# Altium PCB Avyaan 2.0.PcbDoc (part 1 of 3)
Units mm, origin at the board's own origin, x right, y up, seen from the top; angles counter-clockwise.
Board outline 364 x 499 mm, 2 copper layers (Top Layer, Bottom Layer), stack 3.2 mm thick; 226 components, 0 nets, 1029 pads, 6 vias.
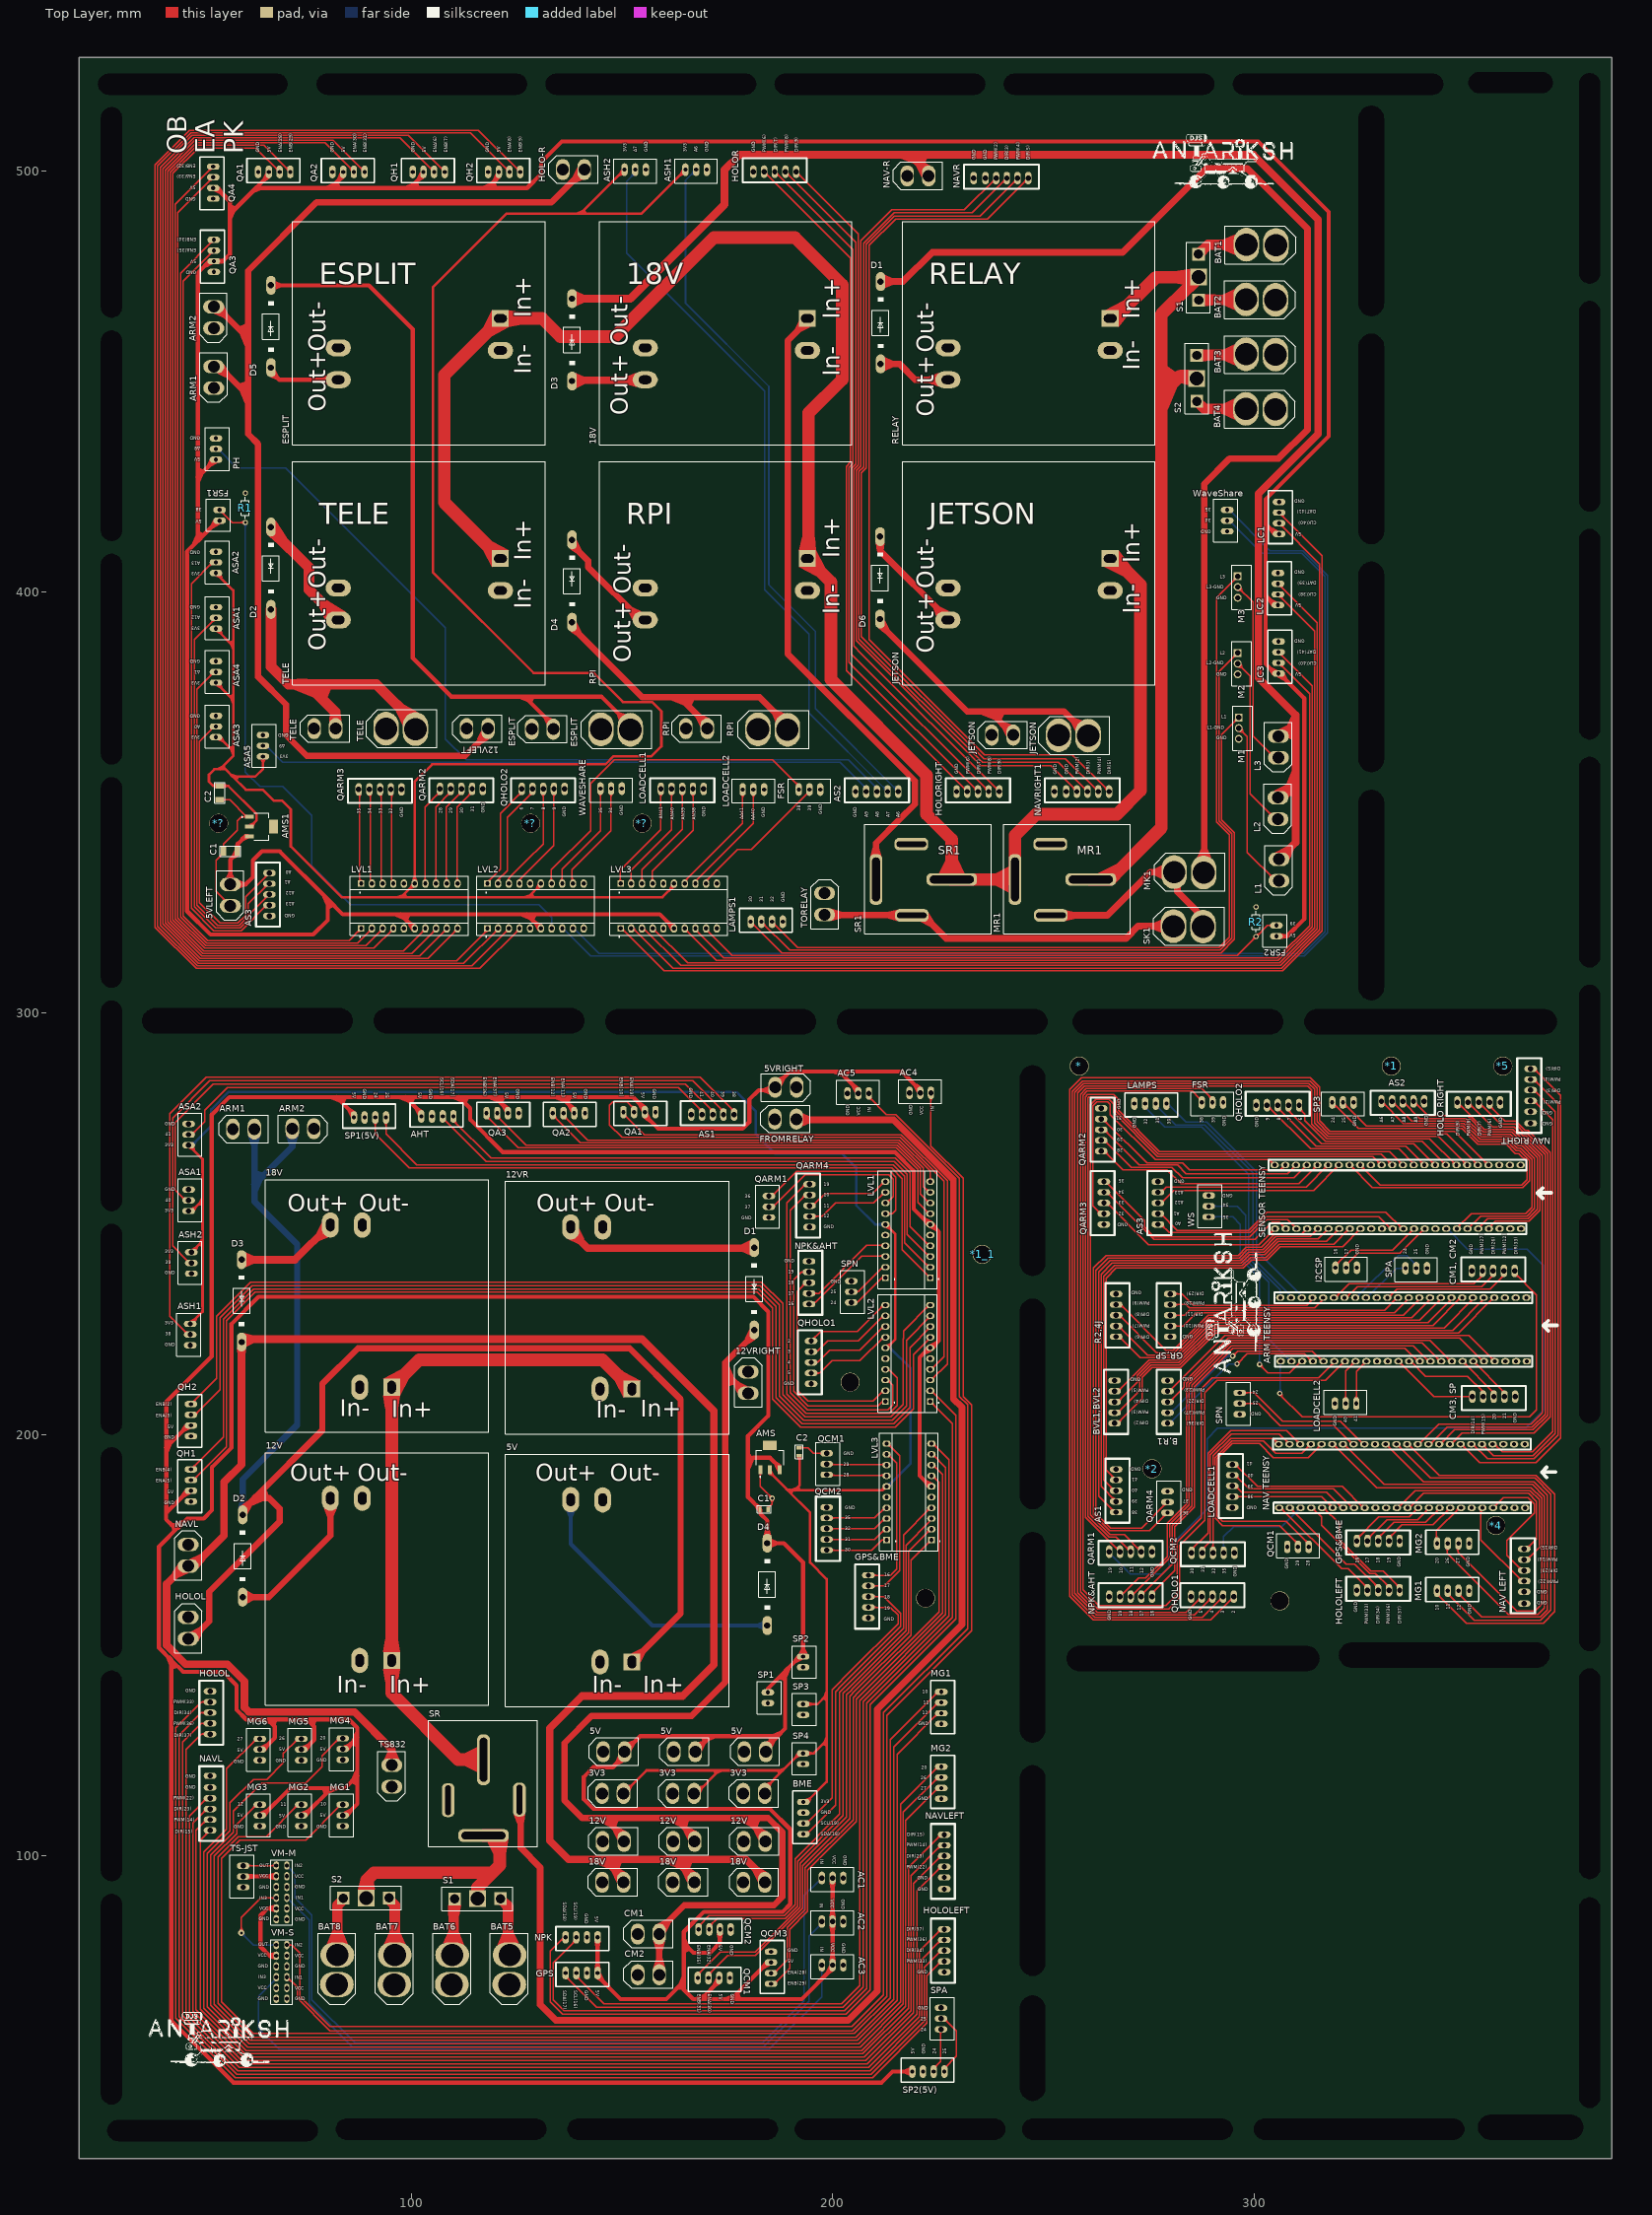
[diagram p0: Top Layer view]
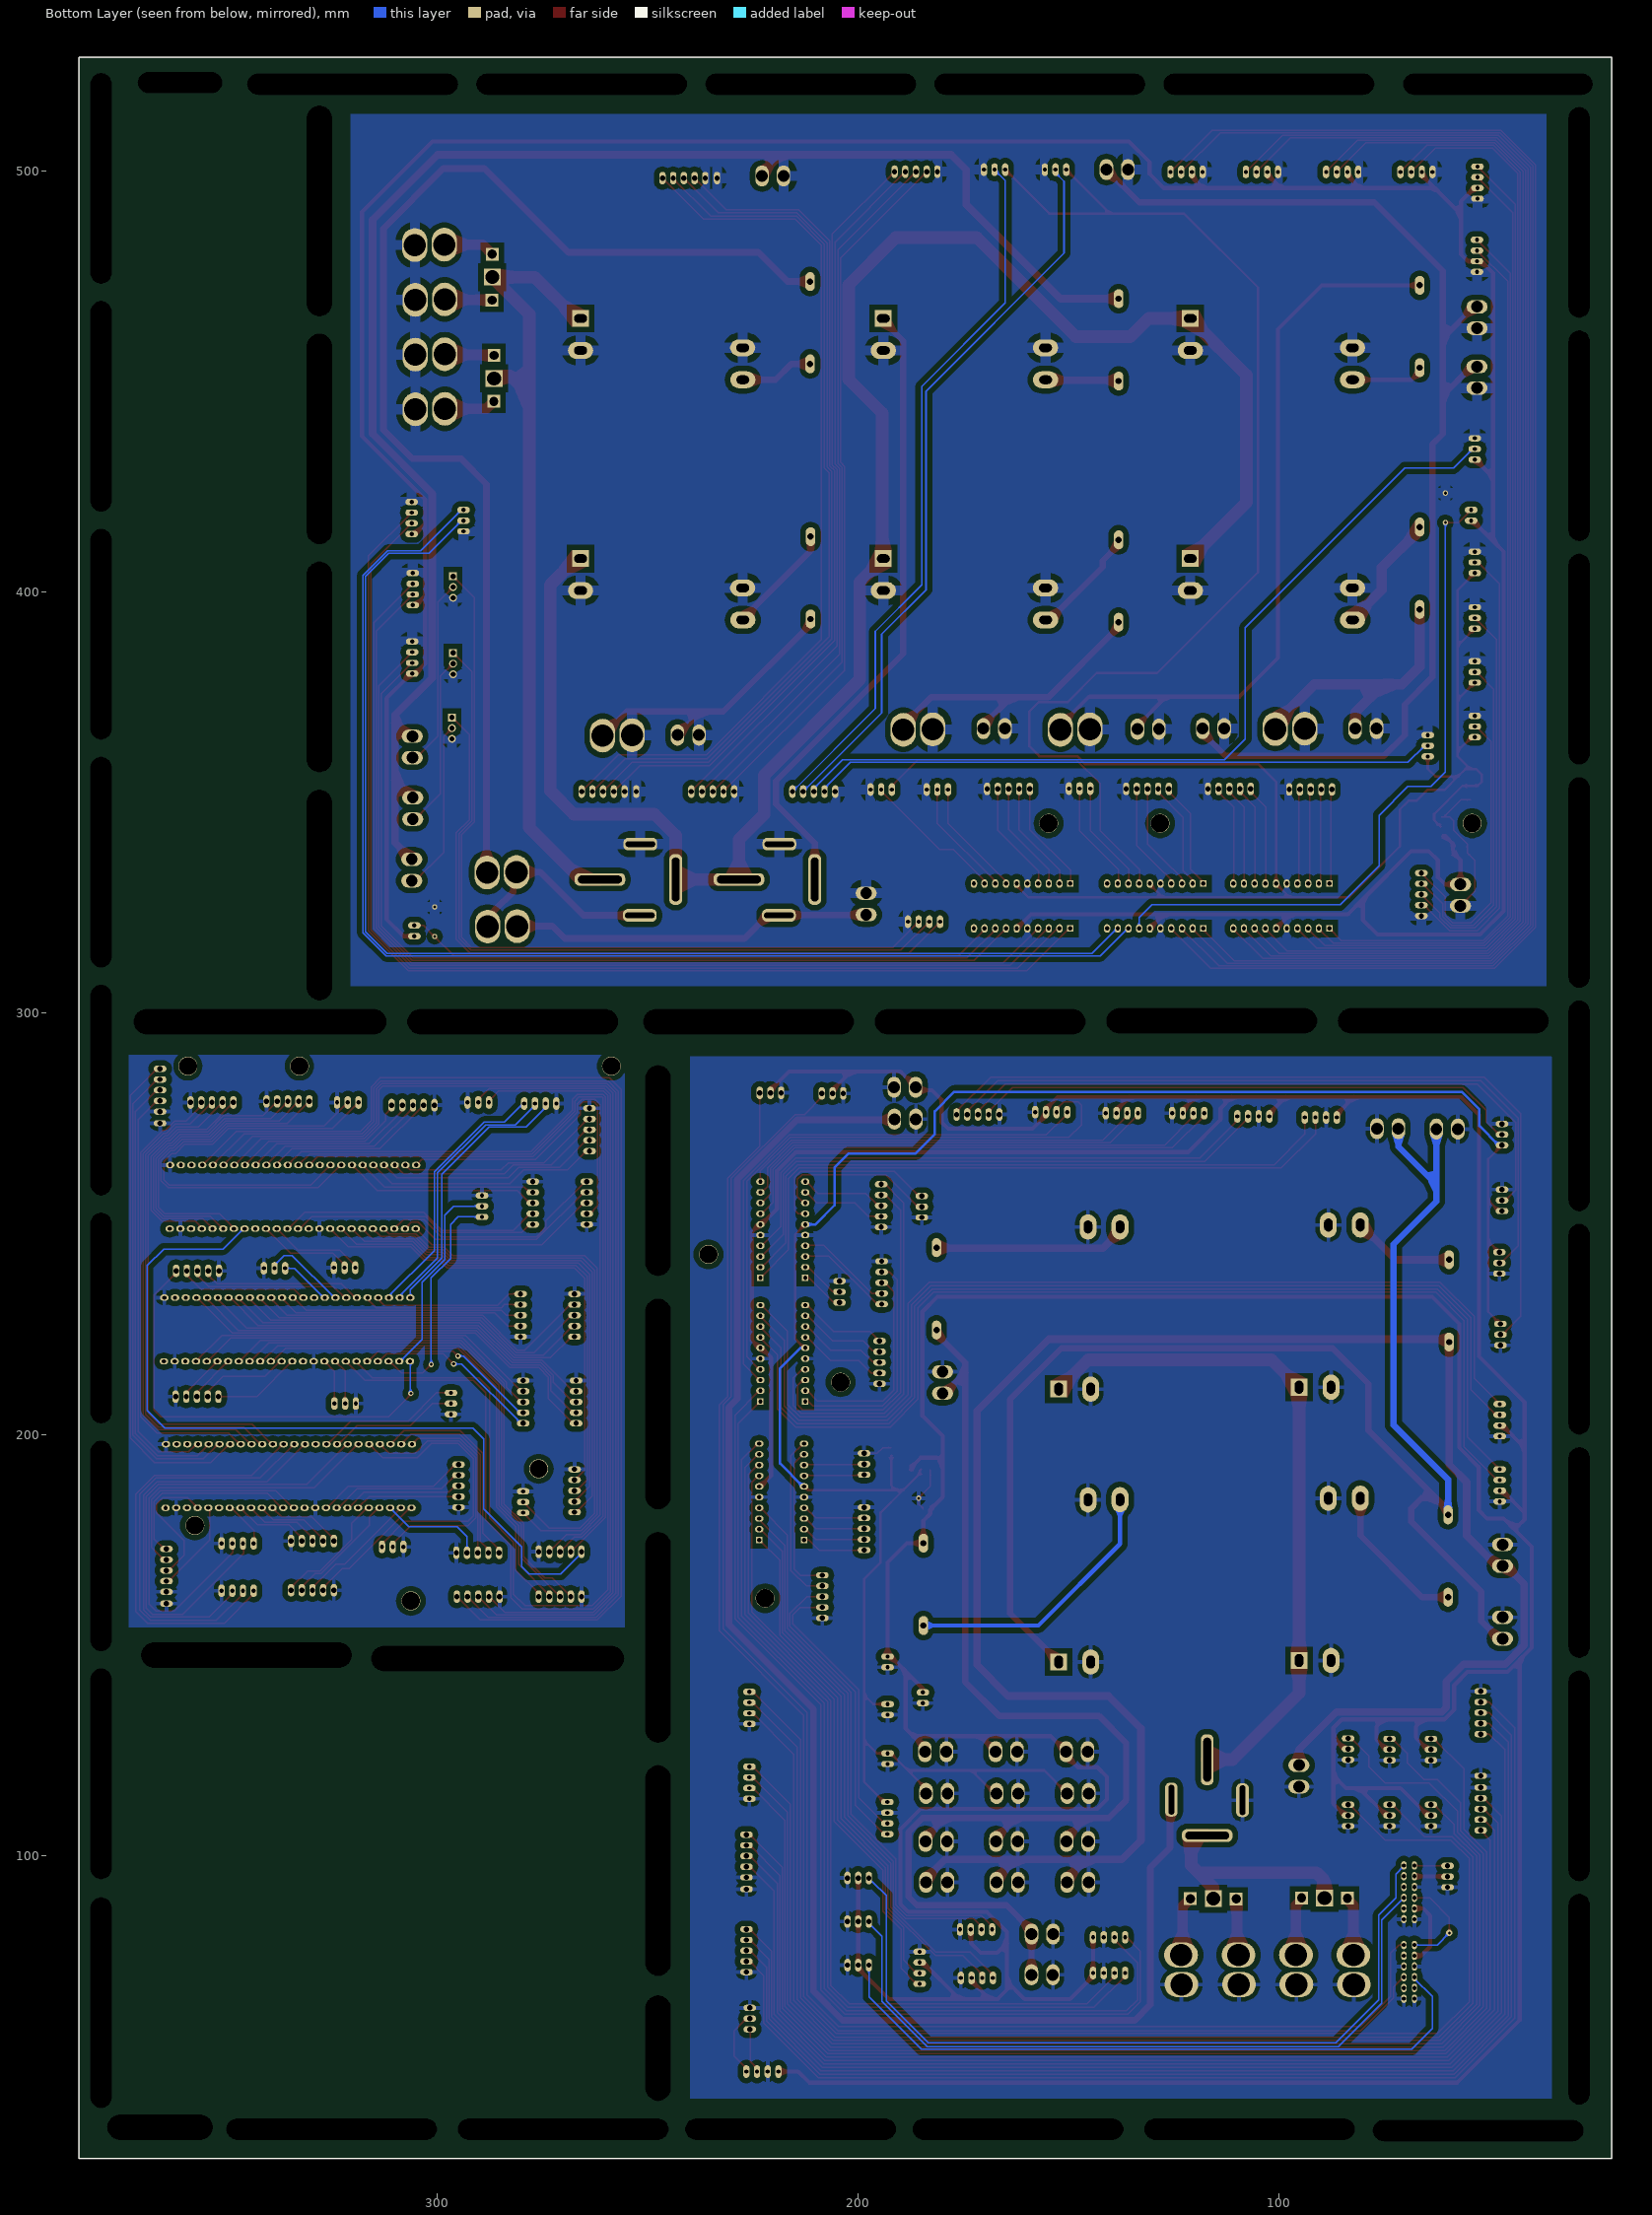
[diagram p1: Bottom Layer view, seen from below]

## Layer stack, top to bottom
Top Solder: solder mask 0.3, Solder Resist, Dk 3.5
Top Layer: signal copper 0.8
Dielectric 1: dielectric 1.6, FR-4, Dk 4.8
Bottom Layer: signal copper 0.8
Bottom Solder: solder mask 0.3, Solder Resist, Dk 3.5

## Board outline
21,527 385,527 385,28 21,28

## Design rules (kind name [scope] priority, off if disabled: settings)
Clearance [All] p1: gap=0.254 ignorepadtopadclearanceinfootprint=FALSE except(0: Arc-Hole Track-Hole SMDPad-Hole THPad-Hole Via-Hole Fill-Hole Poly-Hole Region-Hole Text-Hole)
PolygonConnect [All] p1: connectstyle=Relief reliefconductorwidth=0.254 reliefentries=4 polygonreliefangle="90 Angle" airgapwidth=0.254
RoutingVias [All] p1: holewidth=0.711 width=1.27 viastyle="Through Hole" minholewidth=0.711 minwidth=1.27 maxholewidth=0.711 maxwidth=1.27
SolderMaskExpansion [All] p1: expansion=0.102 istentingtop=FALSE
Width [All] p1: maxlimit=0.254 minlimit=0.254 preferedwidth=0.254
30 further rules are at their usual default settings.

## Components (designator, comment, footprint, x,y, rotation, side; value= is the part's Value field where it differs from the comment)
3V3 "XT30" XT30_FEMALE 147.416,114.327 r180 top
3V3 "XT30" XT30_FEMALE 164.18,114.327 r180 top
3V3 "XT30" XT30_FEMALE 180.944,114.327 r180 top
5V "XT30" XT30_FEMALE 147.67,124.233 r180 top
5V "XT30" XT30_FEMALE 164.434,124.233 r180 top
5V "BUCK" BUCKY 144.822,107.355 r270 top
5V "XT30" XT30_FEMALE 181.198,124.233 r180 top
5VLEFT "XT30" XT30_FEMALE 57.328,327.699 r270 top
5VRIGHT "XT30" XT30_FEMALE 189.22,282.83 r0 top (schematic designator TORIGHT)
12V "XT30" XT30_FEMALE 181.064,102.929 r180 top
12V "BUCK" BUCKY 87.749,107.711 r270 top
12V "XT30" XT30_FEMALE 164.3,102.929 r180 top
12V "XT30" XT30_FEMALE 147.536,102.929 r180 top
12VLEFT "XT30" XT30_FEMALE 115.24,367.196 r180 top
12VR "BUCK" BUCKY 144.822,172.149 r270 top
12VRIGHT "XT30" XT30_FEMALE 179.52,212.66 r90 top (schematic designator 12VR)
18V "BUCK" BUCKY 232.57,457.48 r0 top
18V "XT30" XT30_FEMALE 147.436,93.225 r180 top
18V "XT30" XT30_FEMALE 164.2,93.225 r180 top
18V "XT30" XT30_FEMALE 180.964,93.225 r180 top
18V "BUCK" BUCKY 87.749,172.608 r270 top
* "HOLE" HOLE#1 258.429,287.579 r90 top
*1 "HOLE" HOLE#1 332.537,287.579 r90 top
*1_1 "HOLE" HOLE#2 234.497,253.411 r0 top (schematic designator *1)
*2 "HOLE" HOLE#1 275.701,191.948 r90 top
*4 "HOLE" HOLE#3 359.264,178.531 r90 top
*5 "HOLE" HOLE#4 359.013,287.452 r90 top
*? "HOLE" HOLE#5 126.67,343.955 r90 top
*? "HOLE" HOLE#6 116.383,338.24 r90 top
*? "HOLE" HOLE#7 54.026,345.225 r90 top
? "XT30" XT30_FEMALE 130.734,367.069 r180 top
AC1 "JST3P" JST3P#1 199.827,94.407 r90 top
AC2 "JST3P" JST3P#1 199.827,84.056 r90 top
AC3 "JST3P" JST3P#1 199.827,73.706 r90 top
AC4 "JST3P" JST3P#1 220.908,281.351 r270 top
AC5 "JST3P" JST3P#1 206.176,281.224 r270 top
AHT "JST4P" JST4P 105.973,275.509 r90 top
AMS "AMS1117" AMS1117 187.599,188.804 r0 top
AMS1 "AMS1117" AMS1117 58.634,341.831 r270 top
ARM1 "XT30" XT30_FEMALE 53.41,450.656 r270 top
ARM1 "XT30" XT30_FEMALE 59.745,272.088 r180 top
ARM2 "XT30" XT30_FEMALE 53.391,464.859 r270 top
ARM2 "XT30" XT30_FEMALE 74.563,272.988 r0 top
"ARM TEENSY" "1x23H" TEENSY 314.817,230.302 r0 top (schematic designator TA)
AS1 "JST5P" JST5P 267.446,187.503 r90 top
AS1 "JST5P" JST5P 170.616,276.076 r180 top
AS2 "JST5P" JST5P 336.28,278.943 r0 top
AS2 "JST5P" JST5P 209.601,352.772 r180 top
AS3 "JST5P" JST5P 277.352,255.829 r90 top
AS3 "JST5P" JST5P 66.091,327.318 r270 top
ASA1 "JST3P" JST3P#2 53.772,393.739 r180 top
ASA1 "JST3P" JST3P#1 47.299,255.443 r180 top
ASA2 "JST3P" JST3P#2 53.772,406.947 r180 top
ASA2 "JST3P" JST3P#1 47.299,271.064 r180 top
ASA3 "JST3P" JST3P#2 53.772,367.958 r180 top
ASA4 "JST3P" JST3P#2 53.772,380.912 r180 top
ASA5 "JST3P" JST3P#2 64.948,363.386 r180 top
ASH1 "JST3P" JST3P#2 167.437,500.075 r90 top
ASH1 "JST3P" JST3P#1 47.172,223.82 r0 top
ASH2 "JST3P" JST3P#2 152.959,500.075 r90 top
ASH2 "JST3P" JST3P#1 47.426,240.838 r0 top
B,R1 "JST5P" JST5P 279.638,208.585 r90 top (schematic designator "B, R1")
BAT1 "XT60" XT60_FEMALE 306.347,480.712 r270 top
BAT2 "XT60" XT60_FEMALE 306.248,467.707 r270 top
BAT3 "XT60" XT60_FEMALE 306.248,454.701 r270 top
BAT4 "XT60" XT60_FEMALE 306.22,441.723 r270 top
BAT5 "XT60" XT60_FEMALE 121.483,68.265 r180 top
BAT6 "XT60" XT60_FEMALE 107.835,68.265 r180 top
BAT7 "XT60" XT60_FEMALE 94.188,68.265 r180 top
BAT8 "XT60" XT60_FEMALE 80.54,68.265 r180 top
BME "JST4P" JST4P 193.034,109.012 r0 top
BVL1,BVL2 "JST5P" JST5P 267.065,208.585 r90 top (schematic designator "BVL1, BVL2")
C1 "CERAMIC-4.7UF-50V-10%-X5R(1206)" C1206 56.947,338.494 r180 top
C1 "CERAMIC-4.7UF-50V-10%-X5R(1206)" CAP0805 183.824,182.164 r0 top
C2 "CERAMIC-4.7UF-50V-10%-X5R(1206)" C1206 54.407,352.337 r270 top
C2 "CERAMIC-4.7UF-50V-10%-X5R(1206)" CAP0805 192.079,196.007 r90 top
CM1 "XT30" XT30_FEMALE 155.884,80.945 r180 top
"CM1, CM2" "JST5P(SP)" JST5P 355.965,238.961 r180 top
CM2 "XT30" XT30_FEMALE 155.905,71.274 r180 top
"CM3, SP" "JST5P(SP)" JST5P 357.87,208.839 r0 top
D1 "1N5400" DO201-15 211.379,463.97 r90 top
D1 "1N5400" DO201-15 181.34,234.559 r270 top
D2 "1N5400" DO201-15 66.599,405.677 r270 top
D2 "1N5400" DO201-15 59.872,171.115 r90 top
D3 "1N5400" DO201-15 138.1,459.906 r90 top
D3 "1N5400" DO201-15 59.618,231.694 r270 top
D4 "1N5400" DO201-15 138.1,402.629 r270 top
D4 "1N5400" DO201-15 184.459,164.384 r90 top
D5 "1N5400" DO201-15 66.599,463.081 r90 top
D6 "1N5400" DO201-15 211.252,403.391 r270 top
ESPLIT "XT60" XT60_FEMALE 143.843,369.123 r90 top
ESPLIT "BUCK" BUCKY 159.672,457.48 r0 top
FROMRELAY "XT30" XT30_FEMALE 188.45,274.46 r180 top
FSR "JST3P" JST3P#2 290.052,278.562 r90 top
FSR "JST3P" JST3P#2 194.361,352.876 r90 top
FSR1 "JST2P" JST2P 53.62,417.615 r270 top
FSR2 "JST2P" JST2P 304.597,318.936 r270 top
GPS "JST4P" JST4P 140.49,72.082 r270 top
GPS&BME "JST5P" JST5P 330.438,174.549 r0 top (schematic designator DS&BME)
GPS&BME "JST5P" JST5P 208.335,160.574 r270 top
GR,SP "JST5P" JST5P 280.019,227.381 r270 top (schematic designator "GR, SP")
"HOLO RIGHT" "JST5P" JST5P 354.314,278.689 r0 top (schematic designator "HOLO LEFT")
HOLO-R "XT30" XT30_FEMALE 138.1,499.954 r180 top
HOLOL "XT30" XT30_FEMALE 46.52,154.351 r90 top
HOLOL "JST5P" JST5P 52.252,134.793 r90 top
HOLOLEFT "JST5P" JST5P 328.66,163.119 r180 top (schematic designator "HOLO RIGHT")
HOLOLEFT "JST5P" JST5P 226.354,76.505 r270 top
HOLOR "JST5P" JST5P 185.344,499.971 r180 top
HOLORIGHT "JST5P" JST5P 233.604,352.772 r180 top
I2CSP "JST3P" JST3P#2 321.802,239.319 r90 top
JETSON "XT60" XT60_FEMALE 252.555,367.726 r90 top (schematic designator JET)
JETSON "BUCK" BUCKY 304.476,400.457 r0 top
L1 "XT30" XT30_FEMALE 306.375,333.668 r270 top
L2 "XT30" XT30_FEMALE 306.14,348.294 r270 top
L3 "XT30" XT30_FEMALE 306.248,362.878 r270 top
LAMPS "JST4P" JST4P 275.574,278.562 r270 top
LAMPS1 "JST4P" JST4P 184.201,321.73 r90 top
LC1 "JST4P" JST4P 305.994,417.742 r0 top
LC2 "JST4P" JST4P 305.74,400.851 r0 top
LC3 "JST4P" JST4P 305.867,384.595 r0 top
LOADCELL1 "JST5P" JST5P 294.751,186.868 r270 top
LOADCELL1 "JST5P" JST5P 165.151,353.153 r0 top (schematic designator LOADCELL2)
LOADCELL2 "JST3P" JST3P#2 321.929,207.569 r270 top
LOADCELL2 "JST3P" JST3P#2 181.026,352.876 r90 top (schematic designator LOADCELL1)
LVL1 "LEVEL_SHIFTER" LEVEL_SHIFTER#1 113.589,318.428 r180 top
LVL1 "LEVEL_SHIFTER" LEVEL_SHIFTER#2 217.225,246.426 r270 top
LVL2 "LEVEL_SHIFTER" LEVEL_SHIFTER#1 143.561,318.428 r180 top
LVL2 "LEVEL_SHIFTER" LEVEL_SHIFTER#2 217.225,217.089 r270 top
LVL3 "LEVEL_SHIFTER" LEVEL_SHIFTER#1 175.184,318.428 r180 top
LVL3 "LEVEL_SHIFTER" LEVEL_SHIFTER#2 217.497,184.196 r270 top
M1 "IRF3205" IRF3205 297.358,367.704 r270 top
M2 "IRF3205" IRF3205 297.104,383.022 r270 top
M3 "IRF3205" IRF3205 297.104,401.204 r270 top
MG1 "JST4P" JST4P 347.202,162.865 r90 top
MG1 "JST4P" JST4P 225.787,135.179 r0 top
MG1 "JST3P" JST3P#1 83.367,109.647 r0 top
MG2 "JST4P" JST4P 347.202,174.101 r90 top
MG2 "JST4P" JST4P 225.787,117.399 r0 top
MG2 "JST3P" JST3P#1 73.524,109.647 r0 top
MG3 "JST3P" JST3P#1 63.682,109.647 r0 top
MG4 "JST3P" JST3P#1 83.367,125.395 r0 top
MG5 "JST3P" JST3P#1 73.524,125.268 r0 top
MG6 "JST3P" JST3P#1 63.682,125.268 r0 top
MK1 "XT60" XT60_FEMALE 279.987,335.214 r90 top
MR1 "MAIN RELAY" RELAY 255.05,331.763 r270 top
"NAV LEFT" "JST6P" JST6P#1 364.093,166.802 r270 top
"NAV RIGHT" "JST6P" JST6P#1 365.617,280.848 r270 top
"NAV TEENSY" "1x23H" TEENSY 314.436,195.504 r0 top (schematic designator TN)
NAV-R "XT30" XT30_FEMALE 219.888,498.43 r180 top
NAVL "XT30" XT30_FEMALE 46.52,171.623 r90 top
NAVL "JST6P" JST6P#1 52.252,111.933 r90 top
NAVLEFT "JST6P" JST6P#1 226.354,98.984 r270 top
NAVR "JST6P" JST6P#2 240.462,498.447 r180 top
NAVRIGHT1 "JST6P" JST6P#2 259.639,352.772 r180 top (schematic designator "NAV RIGHT1")
NPK "JST4P" JST4P 140.49,80.564 r270 top
NPK&AHT "JST5P" JST5P 269.859,161.595 r180 top (schematic designator DS&AHT)
NPK&AHT "JST5P" JST5P 194.492,236.901 r90 top
PH "JST3P" JST3P#2 53.772,433.871 r180 top
QA1 "JST4P" JST4P 67.234,499.784 r90 top
QA1 "JST4P" JST4P 154.233,276.525 r270 top
QA2 "JST4P" JST4P 84.887,499.784 r90 top
QA2 "JST4P" JST4P 137.469,276.271 r270 top
QA3 "JST4P" JST4P 53.01,479.718 r180 top
QA3 "JST4P" JST4P 121.721,276.271 r270 top
QA4 "JST4P" JST4P 52.883,497.117 r180 top
QARM1 "JST5P" JST5P 271.637,172.009 r0 top
QARM1 "JST5P" JST5P 194.365,253.411 r270 top
QARM2 "JST5P" JST5P 263.89,273.228 r90 top
QARM2 "JST5P" JST5P 112.7,353.153 r0 top
QARM3 "JST5P" JST5P 264.271,254.051 r270 top
QARM3 "JST5P" JST5P 93.396,353.026 r0 top
QARM4 "JST3P" JST3P#2 279.765,183.797 r180 top
QARM4 "JST3P" JST3P#1 184.586,254.173 r0 top
QCM1 "JST3P" JST3P#2 310.626,173.533 r270 top
QCM1 "JST4P" JST4P 171.886,70.912 r270 top
QCM1 "JST3P" JST3P#1 198.81,192.832 r180 top
QCM2 "JST5P" JST5P 291.195,171.755 r0 top
QCM2 "JST4P" JST4P 172.077,82.42 r270 top
QCM2 "JST5P" JST5P 198.683,178.481 r90 top
QCM3 "JST4P" JST4P 185.348,73.452 r0 top
QH1 "JST4P" JST4P 103.937,499.784 r90 top
QH1 "JST4P" JST4P 47.589,187.752 r180 top
QH2 "JST4P" JST4P 121.844,499.784 r90 top
QH2 "JST4P" JST4P 47.589,203.246 r180 top
QHOLO1 "JST5P" JST5P 289.29,161.595 r180 top
QHOLO1 "JST5P" JST5P 194.746,216.2 r270 top
QHOLO2 "JST5P" JST5P 304.784,278.308 r180 top
QHOLO2 "JST5P" JST5P 132.131,353.153 r0 top
R1 "3-1623927-1" RESAD700W45L350D185 60.503,420.028 r90 top
R2 "3-1623927-1" RESAD700W45L350D185 300.533,321.73 r90 top
R2,4J "JST5P" JST5P 267.446,229.159 r90 top (schematic designator "R2, 4J")
RELAY "BUCK" BUCKY 304.476,457.48 r0 top
RPI "BUCK" BUCKY 232.57,400.457 r0 top
RPI "XT60" XT60_FEMALE 181.153,369.123 r90 top
S1 "Schottky" "SCHOTTKY DIODE" 286.944,474.638 r180 top
S1 "Schottky" "SCHOTTKY DIODE" 115.491,89.655 r90 top
S2 "Schottky" "SCHOTTKY DIODE" 286.509,450.612 r180 top
S2 "Schottky" "SCHOTTKY DIODE" 89.064,89.832 r90 top
"SENSOR TEENSY" "1x23H" TEENSY 313.45,261.794 r0 top (schematic designator TA1)
SK1 "XT60" XT60_FEMALE 279.832,322.365 r90 top
SP1 "JST2P" JST2P 185.348,138.095 r90 top
SP1(5V) "JST4P" JST4P 89.971,275.255 r90 top
SP2 "JST2P" JST2P 193.73,146.604 r90 top
SP2(5V) "JST4P" JST4P 222.579,48.685 r90 top
SP3 "JST3P" JST3P#2 321.04,278.562 r90 top
SP3 "JST2P" JST2P 193.73,135.301 r90 top
SP4 "JST2P" JST2P 193.73,123.617 r90 top
SPA "JST3P" JST3P#2 338.439,239.192 r90 top
SPA "JST3P" JST3P#1 225.961,61.138 r180 top
SPN "JST3P" JST3P#2 296.402,207.442 r0 top
SPN "JST3P" JST3P#1 204.652,233.726 r180 top
SR "RELAY" RELAY 117.07,116.49 r0 top
SR1 "SUDO RELAY" RELAY 222.03,331.763 r270 top
TELE "BUCK" BUCKY 159.672,400.457 r0 top
TELE "XT60" XT60_FEMALE 92.804,369.277 r90 top
TORELAY "XT30" XT30_FEMALE 197.663,326.302 r90 top
TS832 "XT30" XT30_FEMALE 95.686,118.537 r270 top
TS-JST "JST3P" JST3P#1 59.736,95.117 r0 top
VM-M "VM1" 6X2HEADER 68.91,90.52 r270 top (schematic designator VM1)
VM-S "VM2" 6X2HEADER 68.91,71.64 r270 top (schematic designator VM2)
WAVESHARE "JST3P" JST3P#2 147.244,353.099 r90 top
WaveShare "JST3P" JST3P#2 293.421,417.107 r0 top (schematic designator WS)
WS "JST3P" JST3P#2 289.544,254.051 r180 top
? "XT30" XT30_FEMALE 239.975,365.653 r180 top
? "XT30" XT30_FEMALE 79.045,367.196 r180 top
? "XT30" XT30_FEMALE 167.31,367.196 r180 top

## Footprints (in the part's own frame and the unit in brackets; to place one, negate y for a bottom-side part, rotate by r counter-clockwise, add the part's x,y. Pads: shape width x height; smd on the part's side, far side on the other; paste and mask are expansions set on the pad)
6X2HEADER [mm]
  oval 2x1.25 hole 1: 1(-7.1,1.45) 2(-4.55,1.45) 3(-2,1.45) 4(0.55,1.45) 5(3.1,1.45) 6(5.65,1.45) 7(-7.1,-1.05) 8(-4.55,-1.05) 9(-2,-1.05) 10(0.55,-1.05) 11(3.1,-1.05) 12(5.65,-1.05)
  silkscreen extent -8.4,-2.35 7,2.75, body extent -8.37,-2.34 6.89,2.75, height 8.21
AMS1117 [mm]
  rect 0.95x2.15 smd: 1(-4.805,2.8) 2(-2.505,2.8) 3(-0.205,2.8)
  rect 3.25x2.15 smd: 4(-2.505,8.6)
  silkscreen extent -5.75,1 0.75,7.45, body extent -5.76,2.2 0.74,9.2, height 1.8
BUCKY [mm]
  rect 4x4 hole 3 slot 2 at 90 deg: 1(-38.59,7.506)
  oval 6x4 hole 3 slot 2 at 90 deg: 2(-38.59,-0.089) 3(-77.095,0.546) 4(-77.12,-7.049)
  silkscreen extent -87.91,-22.52 -27.97,30.57, body extent -87.75,-22.45 -27.75,30.55, height 26.51
C1206 [mil]
  rect 50x80 smd: 1(-65,0) 2(65,0)
  silkscreen extent -97,-48 97,48, body extent -63,-31 63,31, height 71
CAP0805 [mm]
  rect 0.75x1.3 smd: 1(-1.094,0.044) 2(0.806,0.044)
  silkscreen extent -1.79,-0.87 1.51,0.94, body extent -0.94,-0.46 0.66,0.4, height 0.81
DO201-15 [mil]
  oval 177x88.5 hole 59: A(-385,0) C(385,0)
  silkscreen extent -235,-79 235,79, body extent -408,-104 408,104, height 209
HOLE#1 [mm]
  round 4.5 hole 4.3 unplated: 1(-0.127,-0.127)
HOLE#2 [mm]
  round 4.5 hole 4.3 unplated: 1(1.016,-10.668)
HOLE#3 [mm]
  round 4.5 hole 4.3 unplated: 1(-0.172,1.775)
HOLE#4 [mm]
  round 4.5 hole 4.3 unplated: 1(0,-0.127)
HOLE#5 [mm]
  round 4.5 hole 4.3: 1(1.143,-28.067)
HOLE#6 [mm]
  round 4.5 hole 4.3: 1(6.858,-11.878)
HOLE#7 [mm]
  round 4.5 hole 4.3: 1(-0.127,-0.127)
IRF3205 [mm]
  rect 1.85x1.85 / inner round 1.85 / far side rect 1.85x1.85 hole 1.23: 1(-2.54,-0.94)
  round 1.85 hole 1.23: 2(0,-0.94) 3(2.54,-0.94)
  silkscreen extent -5.27,-2.35 5.27,2.35, body extent -5.15,-3.18 5.15,0.12, height 15.21
JST2P [mm]
  oval 1.5x3 hole 1: 1(0.635,0.762) 2(-1.905,0.762)
  silkscreen extent -4.45,-2.41 3.17,3.3, body extent -4.41,-2.4 3.14,3.3, height 7.01
JST3P#1 [mm]
  oval 3x1.5 hole 1.25: 1(0.254,2.413) 2(0.254,-0.127) 3(0.254,-2.667)
  silkscreen extent -2.92,-5.21 2.79,4.95, body extent -2.9,-5.15 2.8,4.93, height 7
JST3P#2 [mm]
  oval 3x1.5 hole 1: 1(0.254,2.413) 2(0.254,-0.127) 3(0.254,-2.667)
  silkscreen extent -2.92,-5.21 2.79,4.95, body extent -2.9,-5.15 2.8,4.93, height 7
JST4P [mm]
  oval 3x1.5 hole 1: 1(0,3.683) 2(0,1.143) 3(0,-1.397) 4(0,-3.937)
  silkscreen extent -2.54,-6.22 3.18,6.35, body extent -2.55,-6.46 3.15,6.16, height 7
JST5P [mm]
  oval 1.5x3 hole 1.25: 1(-5.969,0.127) 2(-3.429,0.127) 3(-0.889,0.127) 4(1.651,0.127) 5(4.191,0.127)
  silkscreen extent -8.51,-3.05 6.73,2.67, body extent -8.49,-3.02 6.67,2.68, height 7
JST6P#1 [mm]
  oval 1.5x3 hole 1.25: 1(-5.969,0.127) 2(-3.429,0.127) 3(-0.889,0.127) 4(1.651,0.127) 5(4.191,0.127) 6(6.985,0.127)
  silkscreen extent -8.51,-3.05 9.27,2.67, body extent -8.49,-3.02 9.21,2.68, height 7
JST6P#2 [mm]
  oval 1.5x3 hole 1.25 paste+0 mask+0.102: 1(-5.969,0.127)
  oval 1.5x3 hole 1.25: 2(-3.429,0.127) 3(-0.889,0.127) 4(1.651,0.127) 5(4.191,0.127) 6(6.985,0.127)
  silkscreen extent -8.51,-3.05 9.27,2.67, body extent -8.49,-3.02 9.21,2.68, height 7
LEVEL_SHIFTER#1 [mm]
  oval 1.5x2 hole 1.02: GND(15.411,-1.699) GND(15.411,-12.349) HV(12.871,-1.699) HV1(2.711,-1.699) HV2(5.251,-1.699) HV3(7.791,-1.699) HV4(10.331,-1.699) HV5(17.951,-1.699) HV6(20.491,-1.699) HV7(23.031,-1.699) LV(12.871,-12.349) LV1(2.711,-12.349) LV2(5.251,-12.349) LV3(7.791,-12.349) LV4(10.331,-12.349) LV5(17.951,-12.349) LV6(20.491,-12.349) LV7(23.031,-12.349)
  rect 1.53x1.53 hole 1.02: HV8(25.571,-1.699) LV8(25.571,-12.349)
  silkscreen extent 0.14,-14.1 28.14,0.38, body extent 1.57,-13.52 26.97,-0.48, height 7.65
LEVEL_SHIFTER#2 [mm]
  oval 1.5x2 hole 1.02: GND(-0.889,5.951) GND(-0.889,-4.699) HV(-3.429,5.951) HV1(-13.589,5.951) HV2(-11.049,5.951) HV3(-8.509,5.951) HV4(-5.969,5.951) HV5(1.651,5.951) HV6(4.191,5.951) HV7(6.731,5.951) LV(-3.429,-4.699) LV1(-13.589,-4.699) LV2(-11.049,-4.699) LV3(-8.509,-4.699) LV4(-5.969,-4.699) LV5(1.651,-4.699) LV6(4.191,-4.699) LV7(6.731,-4.699)
  rect 1.53x1.53 hole 1.02: HV8(9.271,5.951) LV8(9.271,-4.699)
  silkscreen extent -16.16,-6.45 11.84,8.03, body extent -14.73,-5.87 10.67,7.17, height 7.65
RELAY [mm]
  rrect75% 3x12 hole 1.8 slot 10.4 at 90 deg: 1(0,6.24)
  rrect75% 12x3 hole 1.8 slot 10.4 at 0 deg: 2(0,-11.76)
  rrect75% 3x8 hole 1.3 slot 7 at 90 deg: 3(8.52,-3.24) 4(-8.4,-3.36)
  silkscreen extent -13.08,-14.4 12.84,15.6, body extent -12.95,-14.39 12.95,15.51, height 40.91
RESAD700W45L350D185 [mm]
  round 1.258 hole 0.75: 1(-3.5,0) 2(3.5,0)
  silkscreen extent -2.55,-0.92 2.55,0.92, body extent -3.72,-0.92 3.72,0.92, height 1.84
"SCHOTTKY DIODE" [mm]
  rect 3x3 hole 2.2: 1(0.073,-5.6) 3(0.023,5.3)
  rect 4x4 hole 3.3: 2(0.073,-0.15)
  silkscreen extent -2.73,-8.5 2.87,8.3, body extent -2.46,-8.17 2.57,7.98, height 21.31
TEENSY [mm]
  oval 2x1.5 hole 1: 0(47.371,2.159) 1(44.831,2.159) 2(42.291,2.159) 3(39.751,2.159) 3.3V(14.351,2.159) 3.3V(44.928,-12.95) 4(37.211,2.159) 5(34.671,2.159) 6(32.131,2.159) 7(29.591,2.159) 8(27.051,2.159) 9(24.511,2.159) 10(21.971,2.159) 11(19.431,2.159) 12(16.891,2.159) 13(16.988,-12.95) 14(19.528,-12.95) 15(22.068,-12.95) 16(24.608,-12.95) 17(27.148,-12.95) 18(29.688,-12.95) 19(32.228,-12.95) 20(34.768,-12.95) 21(37.308,-12.95) 22(39.848,-12.95) 23(42.388,-12.95) 24(11.811,2.159) 25(9.271,2.159) 26(6.731,2.159) 27(4.191,2.159) 28(1.651,2.159) 29(-0.889,2.159) 30(-3.429,2.159) 31(-5.969,2.159) 32(-8.509,2.159) 33(-8.412,-12.95) 34(-5.872,-12.95) 35(-3.332,-12.95) 36(-0.792,-12.95) 37(1.748,-12.95) 38(4.288,-12.95) 39(6.828,-12.95) 40(9.368,-12.95) 41(11.908,-12.95) GND(14.448,-12.95) GND(47.468,-12.95) GND(49.911,2.159) Vin(50.008,-12.954)
  silkscreen extent -9.91,-14.22 57.15,3.43, body extent -10.16,-14.22 51.73,3.56, height 13.47
XT30_FEMALE [mm]
  oval 3.2x5 hole 2.8: 1(-2.9,-0.4) 2(2.2,-0.4)
  silkscreen extent -6.2,-3.7 5.5,2.8, body extent -5.79,-3.4 5.01,2.5, height 11.4
XT60_FEMALE [mm]
  oval 8x6 hole 5.3: 1(-1.8,-8.1) 2(-1.7,-1.1)
  silkscreen extent -6.2,-13.2 2.8,3.6, body extent -6.3,-13.1 3,3.4, height 17

## Part data
C1 C1 C2 C2: "4.7 ÂµF Â±10% 50V Ceramic Capacitor X5R 1206 (3216 Metric)", Package="SMD-2 Yageo", Check_prices=https://www.snapeda.com/parts/CC1206KKX5R9BB475/Yageo/view-part/?ref=eda, MF=Yageo, MP=CC1206KKX5R9BB475, SnapEDA_Link=https://www.snapeda.com/parts/CC1206KKX5R9BB475/Yageo/view-part/?ref=snap
"CM1, CM2" "CM3, SP": library part JST5P
D1 D1 D2 D2 D3 D3 D4 D4 D5 D6: "Diode Standard 50 V 3A Through Hole DO-201AD", Package="DO-201 Diodes Inc.", Check_prices=https://www.snapeda.com/parts/1N5400-T/Diodes+Inc./view-part/?ref=eda, MF="Diodes Inc.", MP=1N5400-T, SnapEDA_Link=https://www.snapeda.com/parts/1N5400-T/Diodes+Inc./view-part/?ref=snap
MR1 SR1: library part RELAY, "Power Relay SPDT 30A 24V", Manufacturer="TE Connectivity", Manufacturer Part Number=V23134A4064X551-EV-CBOX, Supplier Part Number 1=41-V23134A4064X551-EV-CBOX-ND, Pricing 1="1=21.98, 10=19.576, 25=18.6936, 50=18.0516, 110=17.34791, 330=16.41191, 550=15.99385 (USD)", RoHS=No, Stock 1=33, Supplier 1=Digikey
R1 R2: "1 MOhms Â±5% 0.25W, 1/4W Through Hole Resistor Axial - Carbon Film", Package=None, Check_prices=https://www.snapeda.com/parts/3-1623927-1/TE+Connectivity/view-part/?ref=eda, MF="TE Connectivity", MP=3-1623927-1, SnapEDA_Link=https://www.snapeda.com/parts/3-1623927-1/TE+Connectivity/view-part/?ref=snap
SR: "Power Relay SPDT 30A 24V", Manufacturer="TE Connectivity", Manufacturer Part Number=V23134A4064X551-EV-CBOX, Supplier Part Number 1=41-V23134A4064X551-EV-CBOX-ND, Pricing 1="1=21.98, 10=19.576, 25=18.6936, 50=18.0516, 110=17.34791, 330=16.41191, 550=15.99385 (USD)", RoHS=No, Stock 1=33, Supplier 1=Digikey
VM-M VM-S: library part 6X2Headers

## Free pads (board coordinates)
  round 4.5 hole 4.3: 1(204.144,212.39) 1(222.051,161.082) 1(306.181,160.452)
  rrect50% 0x0 hole 5 slot 50 at 90 deg unplated: 4(28.731,65.863) 4(28.731,118.901) 4(28.731,171.94) 4(28.731,224.978) 4(28.731,278.017) 4(28.731,331.055) 4(28.731,384.093) 4(28.731,437.132) 4(28.731,490.17) 4(379.759,65.049) 4(379.759,119.392) 4(379.759,173.514) 4(379.759,227.636) 4(379.759,281.758) 4(379.759,335.88) 4(379.759,390.002) 4(379.759,444.124) 4(379.759,498.246)
  rrect50% 0x0 hole 5 slot 45 at 0 deg unplated: 4(48.019,520.634)
  rrect50% 0x0 hole 5 slot 50 at 0 deg: 4(52.719,34.669) 4(107,35) 4(162,35) 4(216,35) 4(270,35) 4(325,35)
  rrect50% 0x0 hole 6 slot 50 at 0 deg unplated: 4(61.005,298.193) 4(115.996,298.193) 4(171,298) 4(226,298) 4(282,298) 4(345.221,147.564)
  rrect50% 0x0 hole 5 slot 50 at 0 deg unplated: 4(102.42,520.634) 4(156.82,520.634) 4(211.221,520.634) 4(265.622,520.634) 4(320.022,520.634)
  rrect50% 0x0 hole 6 slot 25 at 90 deg unplated: 4(247.471,54.251)
  rrect50% 0x0 hole 6 slot 50 at 90 deg unplated: 4(247.471,96.399) 4(247.471,151.813) 4(247.471,207.227) 4(247.471,262.642) 4(327.896,328.086) 4(327.896,382.23) 4(327.896,436.375) 4(327.896,490.519)
  rrect50% 0x0 hole 6 slot 60 at 0 deg unplated: 4(285.578,146.757) 4(342,298)
  rrect50% 0x0 hole 5 slot 20 at 0 deg unplated: 4(361,521)
  rrect50% 0x0 hole 6 slot 25 at 0 deg unplated: 4(365.749,35.471)

## Via types
v1: diameter 1.27, hole 0.711, Top Layer to Bottom Layer, 5 vias
v2: diameter 1.5, hole 0.711, Top Layer to Bottom Layer, 1 vias

## Nets (pads, with @x,y where several pads share a name; then routed paths per layer and width w, separated by ;. In a path a pad name is that pad's centre, name@x,y a point inside that pad or via, vN(x,y) a via of type N, cw(c..) or ccw(c..) an arc to the next point about the centre after c; other vN are vias at no path point)
pads on no net: 3V3.1 3V3.2 5V.1 5V.2 5V.3 5V.4 5VLEFT.1 5VLEFT.2 5VRIGHT.1 5VRIGHT.2 12V.1 12V.2 12V.3 12V.4 12VLEFT.1 12VLEFT.2 12VR.1 12VR.2 12VR.3 12VR.4 12VRIGHT.1 12VRIGHT.2 18V.1 18V.2 18V.3 18V.4 "ARM TEENSY.0" "ARM TEENSY.1" "ARM TEENSY.2" "ARM TEENSY.3" "ARM TEENSY.3.3V" "ARM TEENSY.4" "ARM TEENSY.5" "ARM TEENSY.6" "ARM TEENSY.7" "ARM TEENSY.8" "ARM TEENSY.9" "ARM TEENSY.10" "ARM TEENSY.11" "ARM TEENSY.12" "ARM TEENSY.13" "ARM TEENSY.14" "ARM TEENSY.15" "ARM TEENSY.16" "ARM TEENSY.17" "ARM TEENSY.18" "ARM TEENSY.19" "ARM TEENSY.20" "ARM TEENSY.21" "ARM TEENSY.22" "ARM TEENSY.23" "ARM TEENSY.24" "ARM TEENSY.25" "ARM TEENSY.26" "ARM TEENSY.27" "ARM TEENSY.28" "ARM TEENSY.29" "ARM TEENSY.30" "ARM TEENSY.31" "ARM TEENSY.32" "ARM TEENSY.33" "ARM TEENSY.34" "ARM TEENSY.35" "ARM TEENSY.36" "ARM TEENSY.37" "ARM TEENSY.38" "ARM TEENSY.39" "ARM TEENSY.40" "ARM TEENSY.41" "ARM TEENSY.GND" "ARM TEENSY.Vin" "CM1, CM2.1" "CM1, CM2.2" "CM1, CM2.3" "CM1, CM2.4" "CM1, CM2.5" "CM3, SP.1" "CM3, SP.2" "CM3, SP.3" "CM3, SP.4" "CM3, SP.5" "HOLO RIGHT.1" "HOLO RIGHT.2" "HOLO RIGHT.3" "HOLO RIGHT.4" "HOLO RIGHT.5" "NAV LEFT.1" "NAV LEFT.2" "NAV LEFT.3" "NAV LEFT.4" "NAV LEFT.5" "NAV LEFT.6" "NAV RIGHT.1" "NAV RIGHT.2" "NAV RIGHT.3" "NAV RIGHT.4" "NAV RIGHT.5" "NAV RIGHT.6" "NAV TEENSY.0" "NAV TEENSY.1" "NAV TEENSY.2" "NAV TEENSY.3" "NAV TEENSY.3.3V" "NAV TEENSY.4" "NAV TEENSY.5" "NAV TEENSY.6" "NAV TEENSY.7" "NAV TEENSY.8" "NAV TEENSY.9" "NAV TEENSY.10" "NAV TEENSY.11" "NAV TEENSY.12" "NAV TEENSY.13" "NAV TEENSY.14" "NAV TEENSY.15" "NAV TEENSY.16" "NAV TEENSY.17" "NAV TEENSY.18" "NAV TEENSY.19" "NAV TEENSY.20" "NAV TEENSY.21" "NAV TEENSY.22" "NAV TEENSY.23" "NAV TEENSY.24" "NAV TEENSY.25" "NAV TEENSY.26" "NAV TEENSY.27" "NAV TEENSY.28" "NAV TEENSY.29" "NAV TEENSY.30" "NAV TEENSY.31" "NAV TEENSY.32" "NAV TEENSY.33" "NAV TEENSY.34" "NAV TEENSY.35" "NAV TEENSY.36" "NAV TEENSY.37" "NAV TEENSY.38" "NAV TEENSY.39" "NAV TEENSY.40" "NAV TEENSY.41" "NAV TEENSY.GND" "NAV TEENSY.Vin" "SENSOR TEENSY.0" "SENSOR TEENSY.1" "SENSOR TEENSY.2" "SENSOR TEENSY.3" "SENSOR TEENSY.3.3V" "SENSOR TEENSY.4" "SENSOR TEENSY.5" "SENSOR TEENSY.6" "SENSOR TEENSY.7" "SENSOR TEENSY.8" "SENSOR TEENSY.9" "SENSOR TEENSY.10" "SENSOR TEENSY.11" "SENSOR TEENSY.12" "SENSOR TEENSY.13" "SENSOR TEENSY.14" "SENSOR TEENSY.15" "SENSOR TEENSY.16" "SENSOR TEENSY.17" "SENSOR TEENSY.18" "SENSOR TEENSY.19" "SENSOR TEENSY.20" "SENSOR TEENSY.21" "SENSOR TEENSY.22" "SENSOR TEENSY.23" "SENSOR TEENSY.24" "SENSOR TEENSY.25" "SENSOR TEENSY.26" "SENSOR TEENSY.27" "SENSOR TEENSY.28" "SENSOR TEENSY.29" "SENSOR TEENSY.30" "SENSOR TEENSY.31" "SENSOR TEENSY.32" "SENSOR TEENSY.33" "SENSOR TEENSY.34" "SENSOR TEENSY.35" "SENSOR TEENSY.36" "SENSOR TEENSY.37" "SENSOR TEENSY.38" "SENSOR TEENSY.39" "SENSOR TEENSY.40" "SENSOR TEENSY.41" "SENSOR TEENSY.GND" "SENSOR TEENSY.Vin" *1.1 *1_1.1 *2.1 *4.1 *5.1 *.1 *?.1 ?.1 ?.2 AC1.1 AC1.2 AC1.3 AC2.1 AC2.2 AC2.3 AC3.1 AC3.2 AC3.3 AC4.1 AC4.2 AC4.3 AC5.1 AC5.2 AC5.3 AHT.1 AHT.2 AHT.3 AHT.4 AMS1.1 AMS1.2 AMS1.3 AMS1.4 AMS.1 AMS.2 AMS.3 AMS.4 ARM1.1 ARM1.2 ARM2.1 ARM2.2 AS1.1 AS1.2 AS1.3 AS1.4 AS1.5 AS2.1 AS2.2 AS2.3 AS2.4 AS2.5 AS3.1 AS3.2 AS3.3 AS3.4 AS3.5 ASA1.1 ASA1.2 ASA1.3 ASA2.1 ASA2.2 ASA2.3 ASA3.1 ASA3.2 ASA3.3 ASA4.1 ASA4.2 ASA4.3 ASA5.1 ASA5.2 ASA5.3 ASH1.1 ASH1.2 ASH1.3 ASH2.1 ASH2.2 ASH2.3 B,R1.1 B,R1.2 B,R1.3 B,R1.4 B,R1.5 BAT1.1 BAT1.2 BAT2.1 BAT2.2 BAT3.1 BAT3.2 BAT4.1 BAT4.2 BAT5.1 BAT5.2 BAT6.1 BAT6.2 BAT7.1 BAT7.2 BAT8.1 BAT8.2 BME.1 BME.2 BME.3 BME.4 BVL1,BVL2.1 BVL1,BVL2.2 BVL1,BVL2.3 BVL1,BVL2.4 BVL1,BVL2.5 C1.1 C1.2 C2.1 C2.2 CM1.1 CM1.2 CM2.1 CM2.2 D1.A D1.C D2.A D2.C D3.A D3.C D4.A D4.C D5.A D5.C D6.A D6.C ESPLIT.1 ESPLIT.2 ESPLIT.3 ESPLIT.4 FROMRELAY.1 FROMRELAY.2 FSR1.1 FSR1.2 FSR2.1 FSR2.2 FSR.1 FSR.2 FSR.3 GPS&BME.1 GPS&BME.2 GPS&BME.3 GPS&BME.4 GPS&BME.5 GPS.1 GPS.2 GPS.3 GPS.4 GR,SP.1 GR,SP.2 GR,SP.3 GR,SP.4 GR,SP.5 HOLO-R.1 HOLO-R.2 HOLOL.1 HOLOL.2 HOLOL.3 HOLOL.4 HOLOL.5 HOLOLEFT.1 HOLOLEFT.2 HOLOLEFT.3 HOLOLEFT.4 HOLOLEFT.5 HOLOR.1 HOLOR.2 HOLOR.3 HOLOR.4 HOLOR.5 HOLORIGHT.1 HOLORIGHT.2 HOLORIGHT.3 HOLORIGHT.4 HOLORIGHT.5 I2CSP.1 I2CSP.2 I2CSP.3 JETSON.1 JETSON.2 JETSON.3 JETSON.4 L1.1 L1.2 L2.1 L2.2 L3.1 L3.2 LAMPS1.1 LAMPS1.2 LAMPS1.3 LAMPS1.4 LAMPS.1 LAMPS.2 LAMPS.3 LAMPS.4 LC1.1 LC1.2 LC1.3 LC1.4 LC2.1 LC2.2 LC2.3 LC2.4 LC3.1 LC3.2 LC3.3 LC3.4 LOADCELL1.1 LOADCELL1.2 LOADCELL1.3 LOADCELL1.4 LOADCELL1.5 LOADCELL2.1 LOADCELL2.2 LOADCELL2.3 LVL1.GND LVL1.HV LVL1.HV1 LVL1.HV2 LVL1.HV3 LVL1.HV4 LVL1.HV5 LVL1.HV6 LVL1.HV7 LVL1.HV8 LVL1.LV LVL1.LV1 LVL1.LV2 LVL1.LV3 LVL1.LV4 LVL1.LV5 LVL1.LV6 LVL1.LV7 LVL1.LV8 LVL2.GND LVL2.HV LVL2.HV1 LVL2.HV2 LVL2.HV3 LVL2.HV4 LVL2.HV5 LVL2.HV6 LVL2.HV7 LVL2.HV8 LVL2.LV LVL2.LV1 LVL2.LV2 LVL2.LV3 LVL2.LV4 LVL2.LV5 LVL2.LV6 LVL2.LV7 LVL2.LV8 LVL3.GND LVL3.HV LVL3.HV1 LVL3.HV2 LVL3.HV3 LVL3.HV4 LVL3.HV5 LVL3.HV6 LVL3.HV7 LVL3.HV8 LVL3.LV LVL3.LV1 LVL3.LV2 LVL3.LV3 LVL3.LV4 LVL3.LV5 LVL3.LV6 LVL3.LV7 LVL3.LV8 M1.1 M1.2 M1.3 M2.1 M2.2 M2.3 M3.1 M3.2 M3.3 MG1.1 MG1.2 MG1.3 MG1.4 MG2.1 MG2.2 MG2.3 MG2.4 MG3.1 MG3.2 MG3.3 MG4.1 MG4.2 MG4.3 MG5.1 MG5.2 MG5.3 MG6.1 MG6.2 MG6.3 MK1.1 MK1.2 MR1.1 MR1.2 MR1.3 MR1.4 NAV-R.1 NAV-R.2 NAVL.1 NAVL.2 NAVL.3 NAVL.4 NAVL.5 NAVL.6 NAVLEFT.1 NAVLEFT.2 NAVLEFT.3 NAVLEFT.4 NAVLEFT.5 NAVLEFT.6 NAVR.1 NAVR.2 NAVR.3 NAVR.4 NAVR.5 NAVR.6 NAVRIGHT1.1 NAVRIGHT1.2 NAVRIGHT1.3 NAVRIGHT1.4 NAVRIGHT1.5 NAVRIGHT1.6 NPK&AHT.1 NPK&AHT.2 NPK&AHT.3 NPK&AHT.4 NPK&AHT.5 NPK.1 NPK.2 NPK.3 NPK.4 PH.1 PH.2 PH.3 QA1.1 QA1.2 QA1.3 QA1.4 QA2.1 QA2.2 QA2.3 QA2.4 QA3.1 QA3.2 QA3.3 QA3.4 QA4.1 QA4.2 QA4.3 QA4.4 QARM1.1 QARM1.2 QARM1.3 QARM1.4 QARM1.5 QARM2.1 QARM2.2 QARM2.3 QARM2.4 QARM2.5 QARM3.1 QARM3.2 QARM3.3 QARM3.4 QARM3.5 QARM4.1 QARM4.2 QARM4.3 QCM1.1 QCM1.2 QCM1.3 QCM1.4 QCM2.1 QCM2.2 QCM2.3 QCM2.4 QCM2.5 QCM3.1 QCM3.2 QCM3.3 QCM3.4 QH1.1 QH1.2 QH1.3 QH1.4 QH2.1 QH2.2 QH2.3 QH2.4 QHOLO1.1 QHOLO1.2 QHOLO1.3 QHOLO1.4 QHOLO1.5 QHOLO2.1 QHOLO2.2 QHOLO2.3 QHOLO2.4 QHOLO2.5 R1.1 R1.2 R2,4J.1 R2,4J.2 R2,4J.3 R2,4J.4 R2,4J.5 R2.1 R2.2 RELAY.1 RELAY.2 RELAY.3 RELAY.4 RPI.1 RPI.2 RPI.3 RPI.4 S1.1 S1.2 S1.3 S2.1 S2.2 S2.3 SK1.1 SK1.2 SP1(5V).1 SP1(5V).2 SP1(5V).3 SP1(5V).4 SP1.1 SP1.2 SP2(5V).1 SP2(5V).2 SP2(5V).3 SP2(5V).4 SP2.1 SP2.2 SP3.1 SP3.2 SP3.3 SP4.1 SP4.2 SPA.1 SPA.2 SPA.3 SPN.1 SPN.2 SPN.3 SR1.1 SR1.2 SR1.3 SR1.4 SR.1 SR.2 SR.3 SR.4 TELE.1 TELE.2 TELE.3 TELE.4 TORELAY.1 TORELAY.2 TS832.1 TS832.2 TS-JST.1 TS-JST.2 TS-JST.3 VM-M.1 VM-M.2 VM-M.3 VM-M.4 VM-M.5 VM-M.6 VM-M.7 VM-M.8 VM-M.9 VM-M.10 VM-M.11 VM-M.12 VM-S.1 VM-S.2 VM-S.3 VM-S.4 VM-S.5 VM-S.6 VM-S.7 VM-S.8 VM-S.9 VM-S.10 VM-S.11 VM-S.12 WAVESHARE.1 WaveShare.1 WAVESHARE.2 WaveShare.2 WaveShare.3 WAVESHARE.3 WS.1 WS.2 WS.3